# Allegro board pc065b_toplevel_06a.brd (continued)
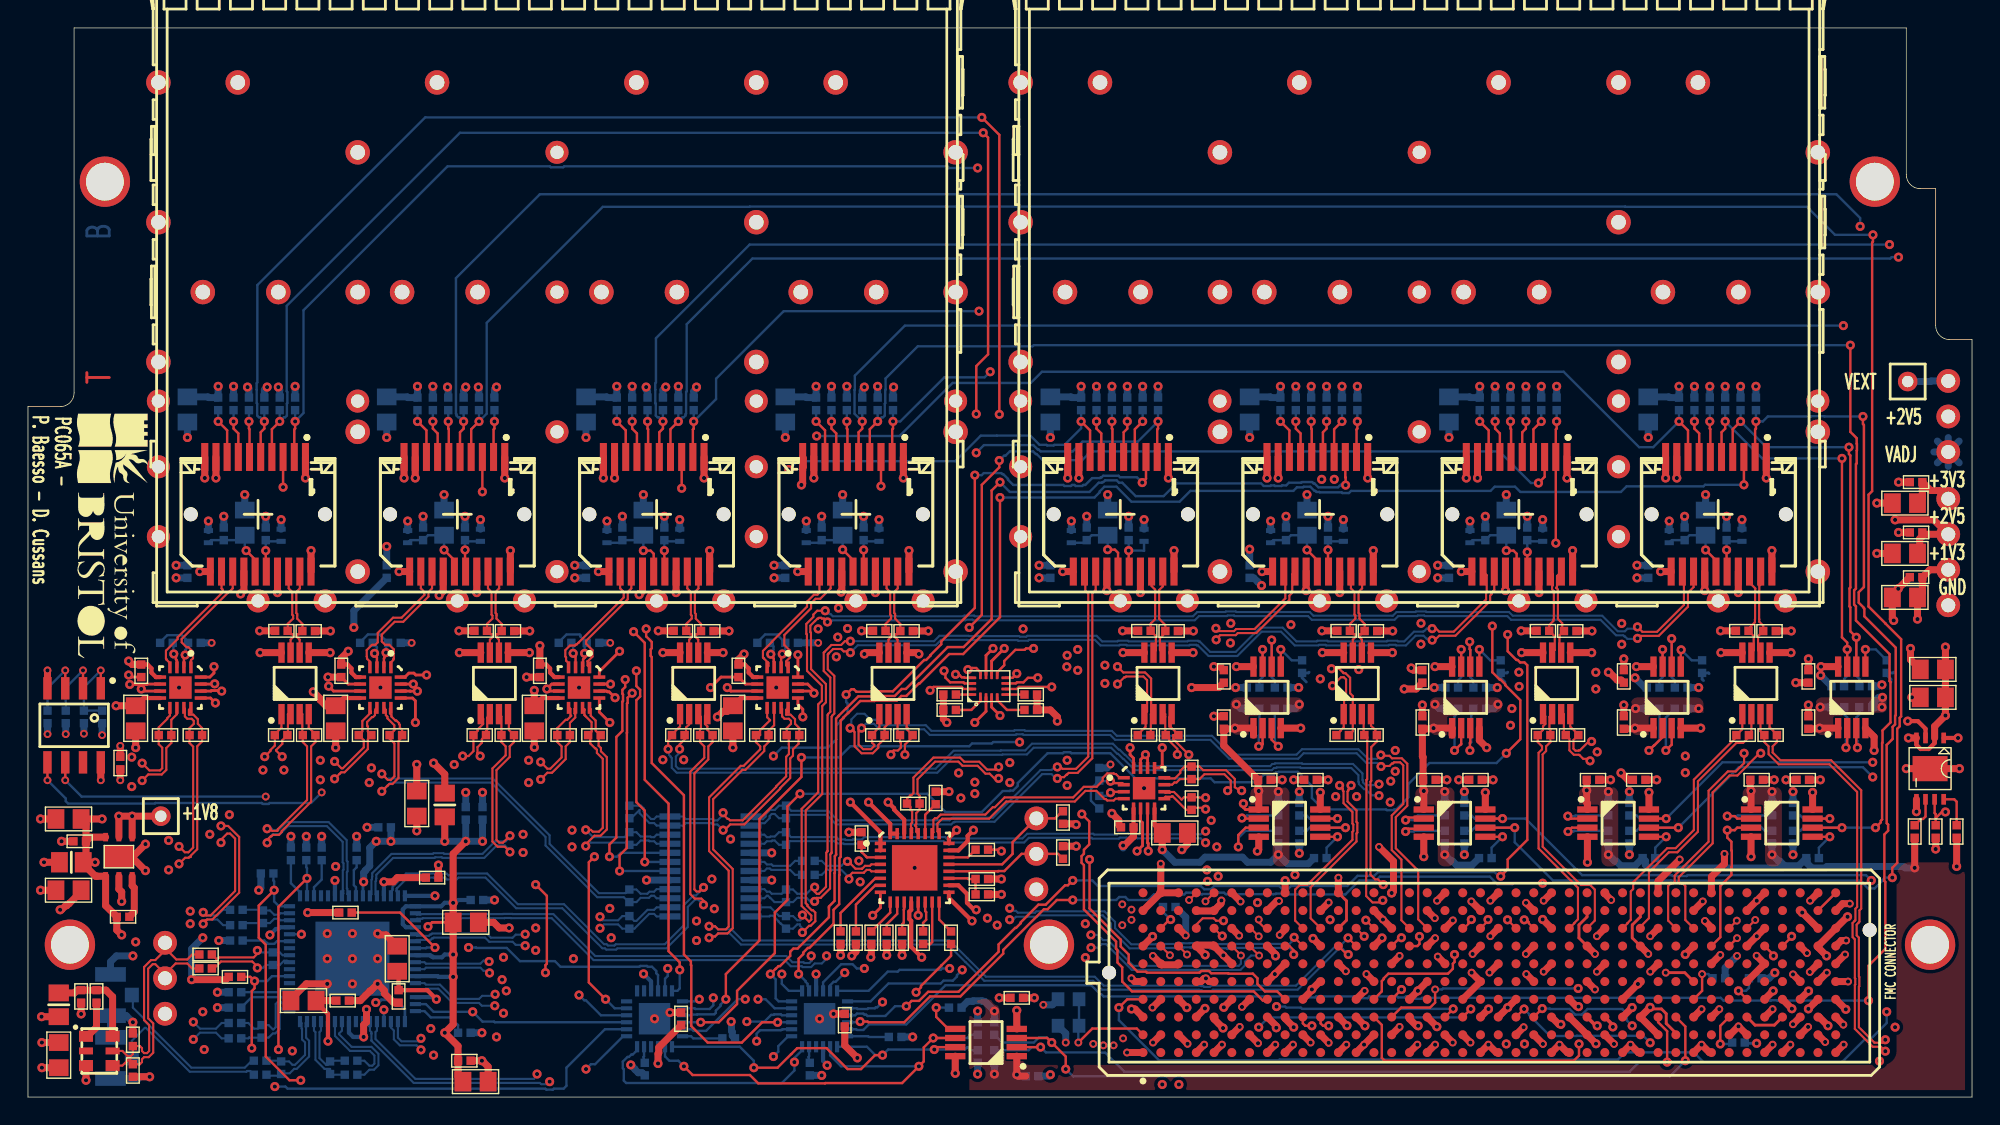
[diagram p0: board, top side]
## Routing (per net, layer and track width the routed paths; a pad name or vN(x,y) marks a point on that pad's centre or on a via; arc(x,y) is an arc through that point) (continued)
  BOTTOM w0.15: v1(28.1,4.2) 28.1,4.14 27.95,3.99 26.71,3.99 26.45,4.25 IC3.50
CLK_MAIN_N<8>: length 72.1
  TOP w0.15: 82.27,10.8 v2(82.87,10.2)
  L3_SIG w0.15: v1(82.29,0.9) 82.29,0.91 81.54,1.67 81.41,1.67 81.23,1.85 79.01,1.85 78.19,1.04 74.31,1.04 74.26,0.99 38.21,0.99 37.53,1.66 37.33,1.66 37.29,1.7 36.45,1.7 v1(36.4,1.65)
  L6_SIG w0.15: v2(82.87,10.2) 82.39,10.2 82.27,10.08 82.27,10.07 82.17,9.96 82.17,9.94 81.96,9.73 81.96,1.23 v1(82.29,0.9)
  BOTTOM w0.15: IC3.53 24.95,4.75 24.85,4.65 24.85,4.15 27.7,1.3 36.19,1.3 v1(36.4,1.65)
CLK_MAIN_P<0>: length 21
  TOP w0.15: U3.3 19.61,27.4 19.61,25.94 R186.1 19.65,25.4 19.95,25.09 19.95,21.25 17.85,19.15 17.85,19.08 17.82,19.05 17.45,19.05 17.3,19.2 v1(17.1,19.2)
  BOTTOM w0.15: IC3.24 22.84,14.52 22.84,14.9 22.8,14.93 22.8,16.1 22.85,16.15 22.85,16.85 22.79,16.91 22.79,18.38 21.5,19.68 18.48,19.68 17.89,19.09 17.53,19.09 17.42,19.2 v1(17.1,19.2)
CLK_MAIN_P<1>: length 23.6
  TOP w0.15: v1(34.46,17.54) 34.09,17.91 33.58,17.91 33.21,18.28 33.21,23.51 34.16,24.45 34.16,25.09 33.85,25.4 R188.1 33.85,27.23 U4.3
  BOTTOM w0.15: v1(34.46,17.54) 34.46,17.64 34.1,18 33.51,18 32.62,17.11 29.63,17.11 29.58,17.16 29.12,17.16 29.07,17.11 26.11,17.11 24.91,15.91 24.91,15.65 24.89,15.63 24.89,15.47 24.85,15.43 24.85,14.5 IC3.28
CLK_MAIN_P<2>: length 42.5
  TOP w0.15: 47.92,27.4 48.12,27.21 48.12,26.37 48.05,26.3 R190.1 48.05,25.4 48.35,25.09 48.35,24.28 47.36,23.28 47.36,14.52 47.68,14.2 48.15,14.2 48.3,14.05 v1(48.3,13.75)
  BOTTOM w0.15: v1(48.3,13.75) 47.92,14.13 47.71,14.13 47.17,13.6 47.17,12.16 45.66,10.65 42.15,10.65 42.05,10.55 41.35,10.55 41.25,10.65 41.07,10.65 38.2,13.51 34.9,13.51 32.71,15.7 30.78,15.7 30.64,15.57 29.96,15.57 29.83,15.7 29.02,15.7 29.01,15.7 27.15,15.7 26.39,14.94 26.39,14.94 26.36,14.91 26.36,14.78 26.36,14.78 26.36,14.72 26.45,14.63 IC3.31
CLK_MAIN_P<3>: length 55
  TOP w0.15: v1(61.7,24.5) 61.78,24.58 61.78,24.69 61.89,24.8 62.2,24.8 62.41,25 62.41,25.34 62.35,25.4 R192.1 62.17,26.08 U6.3
  L6_SIG w0.15: v1(61.7,24.5) 61.77,24.57 61.77,24.78 61.5,25.05 61.5,25.16 61.17,25.49 58.49,25.49 57.13,24.13 57.13,12.61 56.81,12.29 56.81,10.39 v1(57.1,10.1)
  BOTTOM w0.15: v1(57.1,10.1) 57.1,9.9 56.76,9.56 56.25,9.56 55.99,9.3 55.39,9.3 55.33,9.36 54.54,9.36 54.1,9.8 40.44,9.8 37.44,12.8 34.53,12.8 34.51,12.82 34.09,12.82 34.07,12.8 28.23,12.8 28.2,12.77 27.82,12.77 IC3.35
CLK_MAIN_P<4>: length 73.9
  TOP w0.15: 81.31,27.21 81.31,25.94 R200.1 81.42,25.9 81.59,25.73 81.59,25.49 82.18,24.91 v1(82.18,24.51) ; 81.31,27.21 U10.3 81.31,27.4 81.31,27.21
  L3_SIG w0.15: v1(35.55,10.83) 35.89,11.18 38.52,11.18 39.41,10.29 47.69,10.29 47.7,10.28 48.38,10.28 48.39,10.29 55.33,10.29 56.28,11.24 70.47,11.24 72.16,12.94 72.17,12.94 72.33,13.09 76.76,13.09 79.17,15.5 84.05,15.5 84.11,15.44 v1(84.34,15.44)
  L6_SIG w0.15: v1(84.34,15.44) 84.2,15.3 83.8,15.3 83.19,15.91 83.19,17.46 83.22,17.49 83.22,17.91 83.19,17.94 83.19,22.57 82.18,23.58 v1(82.18,24.51)
  BOTTOM w0.15: IC3.38 27.8,11.25 28.08,11.25 28.09,11.24 28.1,11.24 28.11,11.25 28.78,11.25 28.89,11.35 28.95,11.35 29.01,11.41 32.68,11.41 32.98,11.11 34.65,11.11 34.87,10.89 35.49,10.89 v1(35.55,10.83)
CLK_MAIN_P<5>: length 87.9
  TOP w0.15: v1(96.87,14.07) 96.72,13.93 96.14,13.93 95.68,14.38 95.68,15.77 95.7,15.79 95.7,22.69 95.75,22.75 95.75,25.75 95.61,25.9 R198.1 95.55,26 95.5,26.05 95.5,27.4 U9.3
  L3_SIG w0.15: v1(96.87,14.07) 96.37,14.07 96,13.7 95.67,13.7 94.56,12.59 94.56,12.51 94.06,12.01 93.98,12.01 89.63,7.66 84.73,7.66 84.64,7.58 83.96,7.58 83.91,7.63 83.76,7.63 83.73,7.66 68.12,7.66 67.64,8.15 59.68,8.15 59.48,7.95 56.73,7.95 56.71,7.93 52.72,7.93 52.7,7.95 49.41,7.95 49.37,7.99 48.63,7.99 48.59,7.95 44.78,7.95 44.77,7.94 43.65,7.94 41.61,7.95 41.57,7.99 40.83,7.99 40.79,7.95 35.72,7.95 34.67,8.99 33.78,8.99 33.58,9.19 33.44,9.19 33.28,9.04 33.16,9.04 v1(33,8.88)
  BOTTOM w0.15: v1(33,8.88) 32.85,9.04 32.57,9.04 32.35,9.26 28.45,9.26 28.35,9.15 IC3.42
CLK_MAIN_P<6>: length 111.9
  TOP w0.15: v1(111.69,24.06) 111.55,24.2 111.2,24.2 110.93,24.47 110.91,24.47 110.89,24.49 110.53,24.49 110.21,24.81 110.21,25.64 R196.1 109.81,26.04 109.81,27.4 U8.3
  L3_SIG w0.15: v1(33.38,6.53) 33.42,6.53 33.54,6.65 38.31,6.65 38.83,6.13 44.27,6.13 44.79,6.65 46.45,6.65 47.07,6.03 47.88,6.03 47.89,6.05 50.55,6.05 50.63,6.13 52.56,6.13 52.62,6.19 55.83,6.19 56.09,6.45 57.31,6.45 57.37,6.51 57.83,6.51 57.89,6.45 59.24,6.45 59.45,6.25 60.18,6.25 60.84,5.59 64.52,5.59 64.58,5.53 65.3,5.53 65.36,5.59 66.38,5.59 66.57,5.4 67.42,5.4 67.54,5.28 68.26,5.28 68.38,5.4 68.62,5.4 68.74,5.28 69.46,5.28 69.58,5.4 70.27,5.4 70.34,5.33 71.06,5.33 71.13,5.4 79.97,5.4 80.04,5.33 80.76,5.33 80.83,5.4 83.6,5.4 83.68,5.48 84.52,5.48 84.64,5.6 85.09,5.6 85.14,5.55 85.86,5.55 85.91,5.6 87.57,5.6 87.61,5.56 88.39,5.56 88.43,5.6 89.93,5.6 90,5.67 94.54,5.67 94.55,5.66 99.63,5.66 99.7,5.6 101,5.6 101.2,5.4 104.67,5.4 105.7,4.37 v1(105.7,3.8)
  L6_SIG w0.15: v1(105.7,3.8) 106.26,3.24 107.23,3.24 107.56,3.57 107.56,3.59 107.81,3.83 107.81,4.01 108.11,4.32 108.29,4.32 108.53,4.56 108.53,4.72 109.04,5.23 109.04,5.43 109.41,5.8 109.41,23.09 110.72,24.4 111,24.4 111.2,24.2 111.55,24.2 v1(111.69,24.06)
  BOTTOM w0.15: v1(33.38,6.53) 32.45,6.53 32.25,6.73 30.36,6.73 29.33,7.76 28.45,7.76 28.35,7.65 IC3.45
CLK_MAIN_P<7>: length 141.5
  TOP w0.15: U7.3 123.88,26.18 R194.1 124.15,25.4 124.45,25.09 124.45,24.53 125.18,23.81 128.81,23.81 130.79,21.83 130.79,13.6 130.66,13.47 130.66,12.67 130.61,12.61 130.61,12.6 130.46,12.45 130.46,11.45 130.62,11.29 130.62,8.51 130.65,8.48 130.65,8.05 130.62,8.02 130.62,4.88 131.9,3.6 132.48,3.6 v1(132.8,3.28)
  L3_SIG w0.15: v1(132.8,3.28) 132.48,3.6 132.1,3.6 130.4,1.9 119.03,1.9 118.76,1.63 115.74,1.63 115.47,1.9 110.29,1.9 110.24,1.85 87.31,1.85 86.92,2.25 75.55,2.25 75.28,2.52 74.48,2.52 74.43,2.56 73.97,2.56 73.92,2.52 71.98,2.52 71.81,2.69 66.09,2.69 65.9,2.5 64.4,2.5 63.91,2.99 62.37,2.99 61.75,3.61 60.39,3.61 60.19,3.42 53.58,3.42 53.53,3.46 53.07,3.46 52.85,3.25 52.58,3.25 52.46,3.13 51.74,3.13 51.68,3.19 51.56,3.19 51.53,3.22 51.51,3.22 51.49,3.25 45.65,3.25 45.45,3.45 37.26,3.45 37.18,3.53 35.62,3.53 35.54,3.45 33.88,3.45 33.86,3.43 33.14,3.43 33.12,3.45 32.87,3.45 32.82,3.49 29.7,3.49 29.63,3.56 28.77,3.56 28.68,3.47 28.39,3.47 28.3,3.38 v1(28.1,3.38)
  BOTTOM w0.15: v1(28.1,3.38) 27.78,3.7 26.59,3.7 26.16,4.13 26.16,4.76 25.95,4.97 IC3.51
CLK_MAIN_P<8>: length 70.9
  TOP w0.15: v2(81.65,10.15) 81,10.8
  L3_SIG w0.15: v1(81.1,0.9) 81.1,1.39 80.95,1.54 79.14,1.54 78.32,0.72 74.44,0.72 74.39,0.68 38.04,0.68 37.99,0.72 37.54,0.72 37.3,0.97 v1(37.3,1.1)
  L6_SIG w0.15: v1(81.1,0.9) 81.65,1.45 v2(81.65,10.15)
  BOTTOM w0.15: v1(37.3,1.1) 37.27,1.09 37.16,0.92 36.69,0.92 36.6,1.01 27.58,1.01 24.55,4.03 24.55,4.06 24.56,4.07 24.56,4.53 24.55,4.54 24.55,4.65 24.45,4.75 IC3.54
CLK_RST_B: length 38
  TOP w0.17: R9.2 15.9,8.6 v1(16.2,8.3) 16.2,7.78 16,7.58 v1(16,3.5)
  L3_SIG w0.17: v1(39.9,2) 39.55,2.35 39.44,2.35 39.38,2.4 36.92,2.4 36.77,2.55 36.03,2.55 35.88,2.4 34.67,2.4 33.92,1.66 20.75,1.66 20.3,2.1 16.91,2.1 16,3.01 v1(16,3.5)
  BOTTOM w0.17: IC3.6 17.45,8.65 17.1,8.3 v1(16.2,8.3) ; v1(39.9,2) 40.25,2.35 40.55,2.35 42.55,4.35 IC23.1
CLK_SI_N<0>: length 5.7
  BOTTOM w0.15: IC3.64 19.57,5.29 19.57,4.9 19.6,4.87 19.6,4.12 19.81,3.91 19.81,3.02 19.1,2.31 18.91,2.31 18.66,2.55 R13.2 18.05,2.6 C22.1
CLK_SI_N<1>: length 5.8
  BOTTOM w0.15: C24.1 15.75,5.3 16.16,4.9 16.45,4.9 R14.2 17.2,5.15 17.51,4.85 17.56,4.85 17.71,5 17.71,6.66 17.86,6.81 18.07,6.81 18.32,6.56 18.61,6.56 IC3.2
CLK_SI_N<2>: length 3.5
  BOTTOM w0.15: C26.1 16.75,13.4 R15.2 17.3,13.35 17.61,13.04 17.95,13.04 18.05,13.15 IC3.15
CLK_SI_N<3>: length 5.5
  BOTTOM w0.15: IC3.62 20.45,4.75 20.55,4.65 20.55,2.66 21.2,2.02 21.6,2.02 R16.2 21.65,1.6 C28.1
CLK_SI_P<0>: length 6.3
  BOTTOM w0.15: C21.1 17.12,1.53 17.98,1.53 R13.1 18.15,1.7 18.71,1.7 19.03,2.02 19.22,2.02 20.1,2.9 20.1,4.03 19.89,4.24 19.89,4.99 19.86,5.02 19.86,5.31 IC3.63
CLK_SI_P<1>: length 5.5
  BOTTOM w0.15: C23.1 15.75,4.2 15.82,4.26 15.83,4.25 R14.1 17.2,4.25 17.51,4.56 17.68,4.56 18,4.87 18,6.47 18.2,6.27 18.59,6.27 IC3.1
CLK_SI_P<2>: length 3.6
  BOTTOM w0.15: IC3.14 18.05,12.65 17.95,12.76 17.61,12.76 17.3,12.45 R15.1 15.5,12.45 C25.1
CLK_SI_P<3>: length 4.8
  BOTTOM w0.15: IC3.61 20.95,4.75 20.84,4.65 20.84,2.78 21.32,2.3 21.42,2.3 21.57,2.46 21.57,2.52 R16.1 21.65,2.6 C27.1
FMC_LA_N<2>: length 99.3
  TOP w0.15: U3.2 18.59,27.4 18.59,25.94 R1.2 18.19,25.54 18.19,25.27 17.74,24.82 17.74,24.79 v1(18.17,24.36) ; v2(88,12.7) 88,12.52 88.44,12.08 J3.H8
  L3_SIG w0.15: v1(18.17,24.36) 17.78,24.75 17.78,27.68 20.81,30.71 27.39,30.71 27.44,30.66 28.17,30.66 28.27,30.76 28.73,30.76 28.83,30.66 31.24,30.66 31.7,31.12 35.14,31.12 35.27,30.99 35.43,30.99 35.49,30.93 36.22,30.93 36.28,30.99 38.51,30.99 38.62,30.88 39.44,30.88 39.44,30.88 40.16,30.88 40.27,30.99 40.83,30.99 40.96,31.12 41.84,31.12 41.94,31.03 42.66,31.03 42.76,31.12 44.04,31.12 44.47,30.69 53.4,30.69 53.51,30.58 54.19,30.58 54.33,30.72 57.29,30.72 57.37,30.64 57.43,30.64 57.44,30.63 58.16,30.63 58.21,30.67 58.94,30.67 58.99,30.72 64.66,30.72 65.06,31.13 66.8,31.13 66.89,31.22 67.31,31.22 67.4,31.13 73.76,31.13 73.97,30.92 74.15,30.92 v1(74.28,30.79) ; v2(78.9,13.41) 79.33,13.41 79.54,13.2 80.7,13.2 81.31,13.81 82.58,13.81 82.99,13.4 85.03,13.4 85.12,13.49 85.84,13.49 86.63,12.7 v2(88,12.7)
  L6_SIG w0.15: v1(74.28,30.79) 74.15,30.92 73.97,30.92 73.76,31.13 73.47,31.13 73.32,30.98 73.32,30.58 76.6,27.3 76.6,20.96 76.37,20.73 76.37,17.92 77.5,16.78 77.5,13.7 77.92,13.28 78.48,13.28 78.62,13.41 v2(78.9,13.41)
FMC_LA_N<3>: length 102.6
  TOP w0.15: IC4.9 10.15,27.3 9.96,27.11 9.96,27.06 9.35,26.45 R61.1 9.35,25.25 9.6,25 9.6,23.53 9.44,23.37 8.68,23.37 v1(8.16,23.89) ; v1(90.53,11.43) 91.16,10.8
  L3_SIG w0.15: v1(67.7,22.53) 67.47,22.3 67.04,22.3 66.71,22.63 66.31,22.63 66.14,22.8 49.7,22.8 48.04,21.14 32.8,21.14 32.76,21.1 17.33,21.1 17.21,20.98 16.79,20.98 16.67,21.1 16.61,21.1 14.31,23.4 8.65,23.4 v1(8.16,23.89)
  L6_SIG w0.15: v1(67.7,22.53) 67.95,22.28 68.56,22.28 68.89,21.94 68.89,17.47 68.91,17.45 68.91,13.72 69.46,13.17 69.85,13.17 v1(70.19,13.51)
  BOTTOM w0.15: v1(70.19,13.51) 70.28,13.42 70.4,13.42 70.49,13.32 70.64,13.32 70.78,13.19 72,13.19 72.1,13.29 76.97,13.29 77.73,12.53 77.73,12.09 78.88,10.93 80.64,10.93 80.67,10.96 82.03,10.96 82.09,11.02 82.59,11.02 82.61,11.01 83.07,11.01 83.09,11.02 84.52,11.02 84.63,10.91 85.11,10.91 85.14,10.94 85.73,10.94 85.75,10.96 90.2,10.96 90.35,11.11 90.35,11.28 90.5,11.43 v1(90.53,11.43)
FMC_LA_N<4>: length 84.8
  TOP w0.15: v1(94.6,22.3) 94.6,22.18 94.41,21.99 94.41,21.92 94.35,21.87 94.35,21.15 94.99,20.51 94.99,19.69 95.05,19.63 95.05,18.92 94.99,18.86 94.99,18.29 91.71,15.01 91.71,12.79 J3.H11 ; 33.02,27.4 32.89,27.26 32.89,27.2 32.84,27.15 32.84,26.29 32.75,26.2 R187.2 32.45,25.6 32.45,25.35 32.14,25.04 32.14,24.63 32.12,24.61 v1(32.33,24.4)
  L3_SIG w0.15: v1(94.6,22.3) 94.61,22.31 94.61,22.93 94.4,23.14 94.4,23.54 94.07,23.87 93.73,23.87 93.31,24.29 87.59,24.29 87.47,24.4 85.1,24.4 82.58,26.92 82.32,26.92 82.27,26.97 81.55,26.97 81.55,26.97 80.73,26.97 80.73,26.96 79.93,26.96 79.89,26.92 79.72,26.92 78.78,25.98 73.39,25.98 72.22,24.83 69.56,24.83 69.53,24.8 68.1,24.8 67.7,24.4 65.96,24.4 65.36,23.8 55.59,23.8 55.53,23.74 55.07,23.74 55.02,23.79 48.98,23.79 47.7,22.5 37.9,22.5 37.18,21.78 33.87,21.78 31.93,23.72 31.93,24 v1(32.33,24.4)
FMC_LA_N<6>: length 24.9
  TOP w0.17: v1(93,5.1) 92.59,5.1 92.42,5.27 92.42,5.73 ; IC12.2 86.84,19.93 v1(86.8,19.97)
  L3_SIG w0.17: v1(93.1,12.69) 92.41,12.69 92.4,12.7 89.13,12.7 v1(87.91,13.91)
  L6_SIG w0.17: v1(86.8,19.97) 86.8,19.3 87.1,19 87.1,18.94 87.18,18.87 87.18,18.43 87.11,18.36 87.11,15.99 87.91,15.19 v1(87.91,13.91) ; v1(93.1,12.69) 93.1,5.75 93,5.65 v1(93,5.1)
  BOTTOM w0.17: R137.1 87.15,20.15 86.97,19.97 v1(86.8,19.97)
FMC_LA_N<7>: length 71.4
  TOP w0.15: J3.H14 v1(95.66,12.66) ; U5.2 47.27,26.66 47.05,26.44 47.05,26 R189.2 47.05,25.8 47.05,25.69 46.59,25.23 v1(46.59,24.9)
  L6_SIG w0.15: v1(96.6,22.39) 96.69,22.3 96.8,22.3 97,22.1 97.15,22.1 97.2,22.04 97.69,22.04 98.27,21.46 98.27,20.74 97.89,20.36 97.89,17.89 95.19,15.19 95.19,14.29 94.83,13.93 94.83,12.44 94.98,12.29 95.22,12.29 v1(95.66,12.66)
  BOTTOM w0.15: v1(96.6,22.39) 96.53,22.32 95.65,22.32 95.45,22.52 95.45,22.65 95.42,22.69 95.42,23.16 94.74,23.84 91.13,23.84 91.09,23.88 89.17,23.88 89.12,23.84 88.97,23.84 88.82,23.68 79.26,23.68 78.45,24.48 78.42,24.48 78.06,24.85 78,24.85 77.57,25.29 71.78,25.29 71.31,24.8 69.57,24.8 69.54,24.78 66.18,24.78 64.9,23.5 46.5,23.5 46.32,23.68 46.32,24.37 46.5,24.55 46.5,24.81 46.59,24.9 v1(46.59,24.9)
FMC_LA_N<8>: length 70
  TOP w0.15: IC7.9 52.85,27.18 53.06,26.97 53.06,26.97 52.35,26.26 52.35,25.9 R73.1 52.05,25.4 52.35,25.09 52.35,24.88 51.17,23.7 50.96,23.7 48.7,21.44 48.7,17.6 50.1,16.2 50.1,12.2 49.9,12 49.35,12 49.13,12.22 v1(48.7,12.22) ; v1(94.39,11.38) 94.97,10.8
  BOTTOM w0.15: v1(94.39,11.38) 93.89,10.89 93.58,10.89 90.66,7.97 84.6,7.97 84.51,7.88 84.09,7.88 84.03,7.94 83.89,7.94 83.86,7.97 76.92,7.97 76.28,8.61 68.49,8.61 67.15,9.95 67.15,9.95 65.9,11.2 51.1,11.2 50.3,12 49.35,12 49.13,12.22 v1(48.7,12.22)
FMC_LA_N<9>: length 25.2
  TOP w0.17: 102.47,25.27 102.47,25.23 ; 102.47,25.27 IC18.2 ; 102.47,25.27 v1(102,24.8) ; J3.D15 v1(98.2,7.7)
  L6_SIG w0.17: v1(102,24.8) 100.2,23 100.2,22.31 100.37,22.14 100.37,21.66 100.2,21.49 100.2,17.61 100.37,17.44 100.37,16.96 100.1,16.69 100.1,13.05 100.06,13.02 100.06,12.58 100.1,12.55 100.1,11.6 100.09,11.59 100.09,9.19 98.94,8.04 98.55,8.04 v1(98.2,7.7)
  BOTTOM w0.17: v1(102,24.8) 102,27.24 102.25,27.49 R162.1
FMC_LA_N<10>: length 31.8
  TOP w0.17: 97.5,5.73 98.18,6.4 100.25,6.4 100.61,6.76 v2(100.61,7.7) ; v1(110.1,20.1) 110.28,19.93 IC15.2
  L6_SIG w0.17: v1(110.1,20.1) 110.89,19.31 110.89,8.35 110.84,8.31 v1(110.84,7.77)
  BOTTOM w0.17: v1(110.1,20.1) 110.6,20.1 110.65,20.15 R147.1 ; v2(100.61,7.7) 101.1,7.7 101.17,7.77 v1(110.84,7.77)
FMC_LA_N<11>: length 62
  TOP w0.15: v1(96.73,24.47) 96.78,24.42 97.35,24.42 97.53,24.24 98.23,24.24 98.62,23.85 98.62,20.85 97.8,20.03 97.8,17.8 99.4,16.2 99.4,12.72 J3.H17 ; U6.2 61.52,26.7 61.5,26.7 61.25,26.45 R191.2 61.25,25.65 60.8,25.2 60.8,25 60.4,24.6 59.6,24.6 59.1,25.1 59.1,26.12 59.04,26.18 59.04,26.23 58.87,26.4 v1(58.78,26.4)
  BOTTOM w0.15: v1(58.78,26.4) 58.87,26.49 58.87,27.02 59.28,27.42 59.81,27.42 60.24,27 60.61,27 61.01,26.61 64.19,26.61 64.59,26.2 70.5,26.2 70.55,26.25 71.25,26.25 71.3,26.2 77.5,26.2 77.85,25.85 84.66,25.85 86.01,24.5 90.7,24.5 91.09,24.89 95.12,24.89 95.81,24.2 96.45,24.2 v1(96.73,24.47)
FMC_LA_N<12>: length 14.4
  TOP w0.17: v1(99.49,11.49) 99.49,10.95 99.34,10.8 98.78,10.8 ; v1(98.5,19.82) 98.52,19.82 98.7,20 99.72,20 IC14.2
  L6_SIG w0.17: v1(99.49,11.49) 99.11,11.87 99.11,19.21 v1(98.5,19.82)
  BOTTOM w0.17: v1(98.5,19.82) 99.04,19.82 99.37,20.15 R142.1
FMC_LA_N<14>: length 42.8
  TOP w0.17: 88.28,25.27 88.2,25.2 88.1,25.2 v1(88,25.1) ; 88.28,25.27 88.28,26.4 ; 88.28,25.27 88.28,25.23 ; J3.C19 v1(103.16,6.3)
  L6_SIG w0.17: v1(88,25.1) 88.53,24.58 88.53,22.76 88.24,22.47 87.76,22.47 87.43,22.14 87.43,21.66 87.76,21.33 88.24,21.33 88.48,21.08 88.48,13.58 88.5,13.56 88.5,12.94 88.53,12.92 88.53,12.48 88.5,12.46 88.5,11.74 88.53,11.72 88.53,10.38 88.57,10.34 88.57,9.86 88.5,9.79 88.5,7.44 88,6.94 v1(88,5)
  BOTTOM w0.17: R157.1 88.05,25.91 88,25.86 v1(88,25.1) ; v1(103.16,6.3) 102.56,5.7 88.7,5.7 v1(88,5)
FMC_LA_N<15>: length 55.3
  TOP w0.15: R199.2 80.28,25.94 80.28,27.4 U10.2 80.31,27.57 80.31,29.95 79.87,30.38 78.32,30.38 v1(77.9,30.8) ; 103.86,12.08 104.39,12.61 v1(104.39,12.7)
  L3_SIG w0.15: v1(77.9,30.8) 78.46,30.23 91.46,30.23 91.84,29.86 91.84,29.69 92.17,29.36 92.33,29.36 93.29,28.41 98.09,28.41 99.21,27.29 100.29,27.29 100.31,27.27 103.31,27.27 103.35,27.26 105.86,27.26 106.1,27.5 v1(106.1,27.8)
  L6_SIG w0.15: v1(106.1,27.8) 106.4,27.5 106.4,27.39 107.21,26.58 107.21,23.37 104.76,20.92 104.76,16.35 103.91,15.5 103.91,14.46 104.03,14.34 104.03,13.66 103.91,13.54 103.91,13.18 v1(104.39,12.7)
FMC_LA_N<18>: length 37.5
  TOP w0.17: v1(115.9,24.8) 116.27,25.17 116.29,25.17 116.88,25.75 IC19.2 ; v1(108.27,6.33) J3.C23
  L6_SIG w0.17: v1(114.7,5.1) 115.91,5.1 118.47,7.66 118.47,9.37 119.3,10.2 119.3,11.99 118.77,12.52 118.77,20.23 117.1,21.9 117.1,23.6 v1(115.9,24.8)
  BOTTOM w0.17: R167.1 116.65,25.55 v1(115.9,24.8) ; v1(114.7,5.1) 114.32,5.48 114.32,5.97 113.99,6.3 111.51,6.3 111.14,5.93 111.13,5.93 111.1,5.9 110.63,5.9 110.23,6.3 108.84,6.3 108.81,6.33 v1(108.27,6.33)
FMC_LA_N<19>: length 40.1
  TOP w0.15: 107.67,12.08 107.3,12.44 107.3,12.53 107.15,12.68 v1(106.98,12.68) ; v1(93.2,30.65) 93.75,30.65 94.02,30.38 94.04,30.38 94.09,30.33 94.21,30.33 94.53,30 94.53,28.89 94.72,28.7 U9.2 94.72,26.18 R197.2
  L3_SIG w0.15: v1(93.2,30.65) 93.21,30.46 93.62,30.09 94.86,30.09 94.92,30.03 95.49,30.03 95.55,30.09 98.48,30.09 98.53,30.14 99.13,30.14 99.23,30.24 100.83,30.24 100.99,30.4 v1(106.6,30.4)
  L6_SIG w0.15: v1(106.6,30.4) 107.16,30.4 107.4,30.16 107.4,30.16 107.88,29.68 107.88,18.94 106.5,17.56 106.5,13.16 v1(106.98,12.68)
FMC_LA_N<21>: length 17.8
  TOP w0.15: 111.47,12.08 112.03,12.63 112.03,14.85 111.7,15.17 111.04,15.17 108.3,17.91 108.3,24.52 108.55,24.76 108.55,25.09 108.85,25.4 R195.2 108.85,26.3 108.78,26.37 108.78,27.21 U8.2
FMC_LA_N<24>: length 19.2
  TOP w0.15: 115.28,12.08 115.28,12.19 115.9,12.8 115.9,16.09 117.33,17.52 117.93,17.52 119.4,18.99 119.4,22.59 122.15,25.34 122.63,25.34 123.05,25.76 R193.2 123.22,26.08 U7.2
FMC_LA_N<27>: length 76.5
  TOP w0.17: IC21.8 70.4,30 v1(70.7,30.3)
  TOP w0.254: J3.C27 113.3,5.17 113.3,5.04 v1(113.32,5.02)
  L3_SIG w0.17: v1(70.7,30.3) 71.2,30.8 72.4,30.8 73.19,30.01 74.78,30.01 74.82,29.97 75.29,29.97 75.63,30.3 75.63,30.36 76,30.73 76,31.6 77.1,32.7 80.9,32.7 81.1,32.5 83.93,32.5 84.54,31.88 87.11,31.88 87.6,31.4 90.6,31.4 91.9,32.7 92.92,32.7 93.02,32.6 97.6,32.6 98.36,31.84 99.83,31.84 99.88,31.88 100.39,31.88 100.63,32.13 100.64,32.13 101.53,33.02 102.72,33.02 102.83,33.13 102.83,33.13 102.85,33.15 103.32,33.15 103.44,33.02 105.07,33.02 105.56,32.53 106.04,32.53 106.08,32.58 109.92,32.58 v1(112.1,30.39)
  L6_SIG w0.2: v1(112.1,30.39) 112.49,30 112.57,30 112.76,29.81 112.82,29.81 113.7,28.94 113.7,28.48 113.52,28.3 113.52,27.81 113.66,27.67 113.66,24.27 114.48,23.44 114.48,22.69 113.7,21.9 113.7,17.22 113.24,16.76 113.24,16 114.22,15.02 114.22,6.76 114.11,6.65 114.11,6.61 113.4,5.9 113.4,5.65 113.32,5.57 v1(113.32,5.02)
FMC_LA_N<28>: length 128.9
  TOP w0.15: v1(123.89,24.6) 123.8,24.6 122.99,23.79 122.99,23.77 122.23,23.01 121.66,23.01 120.45,21.8 120.45,18.16 118.03,15.73 118.03,15.4 118.18,15.25 118.35,15.25 118.5,15.1 118.5,12.67 119.09,12.08 ; v1(21.92,24.02) 22.41,23.53 22.52,23.53 24.01,25.02 24.01,25.54 R65.1 23.91,26.16 23.91,26.91 24.48,27.48 24.52,27.48 24.52,27.58 24.46,27.63 24.46,27.64 24.45,27.65 IC5.9
  L3_SIG w0.15: v1(123.89,24.6) 123.29,25.2 123.29,25.37 122.96,25.7 113.1,25.7 112.5,26.3 112.18,26.3 112.16,26.32 111.44,26.32 111.42,26.3 109.97,26.3 109.52,25.85 104.88,25.85 104.63,26.1 101.96,26.1 101.67,25.81 99.29,25.81 97.82,27.29 86.13,27.29 86.12,27.3 85.91,27.3 85.66,27.55 85.66,27.61 85.15,28.12 85.08,28.12 85,28.2 82.8,28.2 82.79,28.21 74.4,28.21 74.22,28.39 72.98,28.39 72.79,28.2 55.83,28.2 55.66,28.37 54.94,28.37 54.77,28.2 47.3,28.2 47.1,28 42.09,28 42.03,27.94 41.99,27.94 41.96,27.92 41.5,27.92 41.42,28 27,28 22.57,23.57 22.37,23.57 v1(21.92,24.02)
FMC_LA_N<30>: length 108.7
  TOP w0.15: v1(36.66,23.97) 37.14,23.5 37.35,23.5 38.16,24.3 38.16,25.09 37.85,25.4 R69.1 37.85,26.4 38.45,27 38.56,27 38.84,27.28 38.79,27.33 38.79,27.77 38.71,27.85 IC6.9 ; 122.91,12.08 v2(123.5,12.67)
  L3_SIG w0.15: v1(36.66,23.97) 37.05,23.59 42.09,23.59 44.58,26.08 49.15,26.08 53.58,26.03 53.77,26.03 54.1,25.7 67.83,25.7 68.43,26.3 71.83,26.3 72.73,27.2 72.73,27.26 73.24,27.77 73.96,27.77 74.14,27.59 82.53,27.59 82.54,27.58 83.42,27.58 84.97,26.02 85.88,26.02 86.07,25.84 87.51,25.84 87.64,25.97 88.36,25.97 88.49,25.84 88.91,25.84 89.04,25.97 89.76,25.97 89.88,25.84 90.83,25.84 90.87,25.8 98,25.8 99.8,24 109.63,24 110.33,23.3 112.2,23.3 112.96,24.06 113.53,24.06 113.54,24.07 117.96,24.07 118.04,24.15 118.25,24.15 v1(118.5,24.4)
  L6_SIG w0.15: v1(118.5,24.4) 118.86,24.04 118.97,24.04 118.99,24.01 120.17,24.01 123,21.18 123,17.79 122.64,17.43 122.64,15.06 123,14.7 123,12.9 123.23,12.67 v2(123.5,12.67)
FMC_LA_N<31>: length 15.8
  TOP w0.17: IC16.2 122.21,19.93 122.04,20.1 v1(121.5,20.1) ; 121.64,10.8 v2(122.2,11.37)
  L6_SIG w0.17: v1(121.5,20.1) 120.78,19.38 120.78,12.12 121.53,11.37 v2(122.2,11.37)
  BOTTOM w0.17: v1(121.5,20.1) 122.2,20.1 122.25,20.15 R152.1
FMC_LA_N<33>: length 20.8
  TOP w0.17: J3.G37 126.1,11.46 v1(126.1,11.5) ; v1(129.98,25) 130.07,25.09 IC20.2
  L6_SIG w0.17: v1(126.1,11.5) 130.22,15.62 130.22,18.99 130.27,19.04 130.27,19.51 130.07,19.71 130.07,24.37 129.98,24.46 v1(129.98,25)
  BOTTOM w0.17: v1(129.98,25) 129.98,25.54 130.07,25.63 130.07,27.16 129.85,27.39 R172.1
FMC_LA_P<1>: length 38.3
  TOP w0.17: v1(72.2,30) 71.5,30 71.17,29.67 70.71,29.67 70.64,29.6 IC21.7 ; J3.D8 88.53,6.91 88.29,6.91 87.64,7.56 78.94,7.56 78.24,8.26 78.24,9.29 77.9,9.63 77.9,10.5 77.8,10.6 77.8,10.63 77.8,11.13 75.5,13.43 75.5,16.59 75.33,16.76 75.33,17.24 75.5,17.41 75.5,17.69 75.88,18.07 75.88,19.72 v1(75.35,20.25)
  L6_SIG w0.17: v1(75.35,20.25) 75.35,20.79 75.5,20.94 75.5,26.1 72.2,29.4 v1(72.2,30)
FMC_LA_P<2>: length 101.2
  TOP w0.15: v2(88,11.5) 87.42,12.08 J3.H7 ; v1(16.93,24.36) 17.34,24.77 17.34,24.84 17.65,25.15 R1.1 17.65,25.96 18.12,26.44 18.12,27.4
  L3_SIG w0.15: v1(74.3,31.61) 74.29,31.61 74.25,31.65 73.97,31.65 73.76,31.44 67.53,31.44 67.44,31.52 66.76,31.52 66.67,31.44 64.94,31.44 64.53,31.03 58.86,31.03 58.81,30.98 58.08,30.98 58.03,30.94 57.57,30.94 57.56,30.95 57.5,30.95 57.42,31.03 54.2,31.03 54.06,30.89 53.64,30.89 53.53,31 44.6,31 44.16,31.44 42.63,31.44 42.53,31.34 42.07,31.34 41.97,31.44 40.84,31.44 40.7,31.3 40.15,31.3 40.03,31.19 39.57,31.19 39.46,31.3 39.32,31.3 39.21,31.19 38.75,31.19 38.64,31.3 36.15,31.3 36.09,31.24 35.62,31.24 35.56,31.3 35.4,31.3 35.27,31.44 31.57,31.44 31.11,30.97 28.96,30.97 28.86,31.07 28.14,31.07 28.04,30.97 27.57,30.97 27.52,31.02 20.68,31.02 17.47,27.81 17.47,25.86 17.42,24.85 v1(16.93,24.36) ; v2(88,11.5) 87.56,11.95 87.56,12.24 87.41,12.39 86.5,12.39 85.71,13.18 85.25,13.18 85.16,13.09 82.86,13.09 82.45,13.5 81.44,13.5 80.83,12.89 79.54,12.89 79.33,12.68 v2(78.9,12.68)
  L6_SIG w0.15: v2(78.9,12.68) 78.62,12.68 78.48,12.82 77.95,12.82 77.19,13.57 77.19,16.66 76.06,17.79 76.06,20.86 76.29,21.09 76.29,27.17 73.01,30.45 73.01,31.1 73.34,31.44 73.76,31.44 73.97,31.65 74.25,31.65 74.29,31.61 v1(74.3,31.61)
FMC_LA_P<3>: length 103.1
  TOP w0.15: 89.89,10.8 90.2,10.8 90.5,10.51 v1(90.5,10.2) ; v1(8.16,22.65) 8.6,23.08 9.56,23.08 9.89,23.41 9.89,24.98 10.25,25.34 R61.2 10.25,26.99 10.65,27.39 IC4.10
  L3_SIG w0.15: v1(8.16,22.65) 8.61,23.09 14.18,23.09 16.48,20.79 16.54,20.79 16.66,20.68 17.34,20.68 17.46,20.79 32.89,20.79 32.93,20.83 48.17,20.83 49.83,22.49 66.01,22.49 66.18,22.32 66.58,22.32 66.91,21.99 67.45,21.99 67.47,21.97 67.53,21.97 67.7,21.8 v1(67.7,21.71)
  L6_SIG w0.15: v1(70.19,12.69) 70.01,12.87 69.98,12.86 69.98,12.86 69.33,12.86 68.6,13.59 68.6,17.32 68.58,17.34 68.58,21.82 68.43,21.97 67.96,21.97 v1(67.7,21.71)
  BOTTOM w0.15: v1(70.19,12.69) 70.26,12.76 70.5,12.76 70.64,12.9 72.12,12.9 72.22,13 76.85,13 77.44,12.41 77.44,11.97 78.76,10.64 80.76,10.64 80.79,10.67 82.15,10.67 82.21,10.73 82.47,10.73 82.51,10.7 82.64,10.7 82.66,10.71 83.08,10.71 83.1,10.7 83.17,10.7 83.21,10.73 84.4,10.73 84.51,10.62 85.06,10.62 85.09,10.59 85.2,10.59 85.26,10.65 85.69,10.65 85.75,10.59 85.79,10.59 85.87,10.67 90.2,10.67 90.35,10.52 90.35,10.35 v1(90.5,10.2)
FMC_LA_P<4>: length 86
  TOP w0.15: J3.H10 90.6,12.63 90.6,14.85 90.92,15.17 91.46,15.17 94.7,18.41 94.7,18.98 94.76,19.04 94.76,19.51 94.7,19.57 94.7,20.39 94.06,21.03 94.06,21.88 94.02,21.92 94.02,22.05 93.87,22.2 93.87,22.21 v1(93.78,22.3) ; v1(31.08,24.4) 31.5,24.4 31.85,24.75 R187.1 32.15,26.2 32.15,26.3 32.55,26.7 32.55,27.06 32.49,27.11 32.49,27.13 32.38,27.25 U4.1
  L3_SIG w0.15: v1(93.78,22.3) 93.88,22.4 93.88,22.93 94.09,23.14 94.09,23.41 93.94,23.56 93.6,23.56 93.19,23.98 87.46,23.98 87.34,24.09 84.97,24.09 82.45,26.62 82.19,26.62 82.15,26.66 81.68,26.66 81.68,26.66 80.86,26.66 80.85,26.65 80.06,26.65 80.02,26.62 79.85,26.62 78.91,25.68 73.51,25.68 72.35,24.52 69.69,24.52 69.66,24.49 68.23,24.49 67.83,24.09 66.09,24.09 65.49,23.49 55.72,23.49 55.66,23.43 54.94,23.43 54.89,23.48 49.11,23.48 47.83,22.19 38.03,22.19 37.31,21.47 33.74,21.47 31.62,23.59 31.62,23.86 v1(31.08,24.4)
FMC_LA_P<6>: length 24.2
  TOP w0.17: 91.16,5.73 91.16,5.27 91.33,5.1 v1(91.8,5.1) ; IC12.3 87.06,19.27 86.54,18.75 v1(86.54,17.9)
  L3_SIG w0.17: v1(86.54,17.9) 86.54,17.26 87.4,16.4 90.09,16.4 v1(90.59,15.9)
  L6_SIG w0.17: v1(91.8,5.1) 90.76,6.14 90.76,9.52 91.1,9.86 91.1,12.86 90.59,13.37 v1(90.59,15.9)
  BOTTOM w0.17: R136.1 87.05,19.05 86.54,18.54 v1(86.54,17.9)
